# Altium PCB xialeste.PcbDoc (part 6 of 10) (continued)
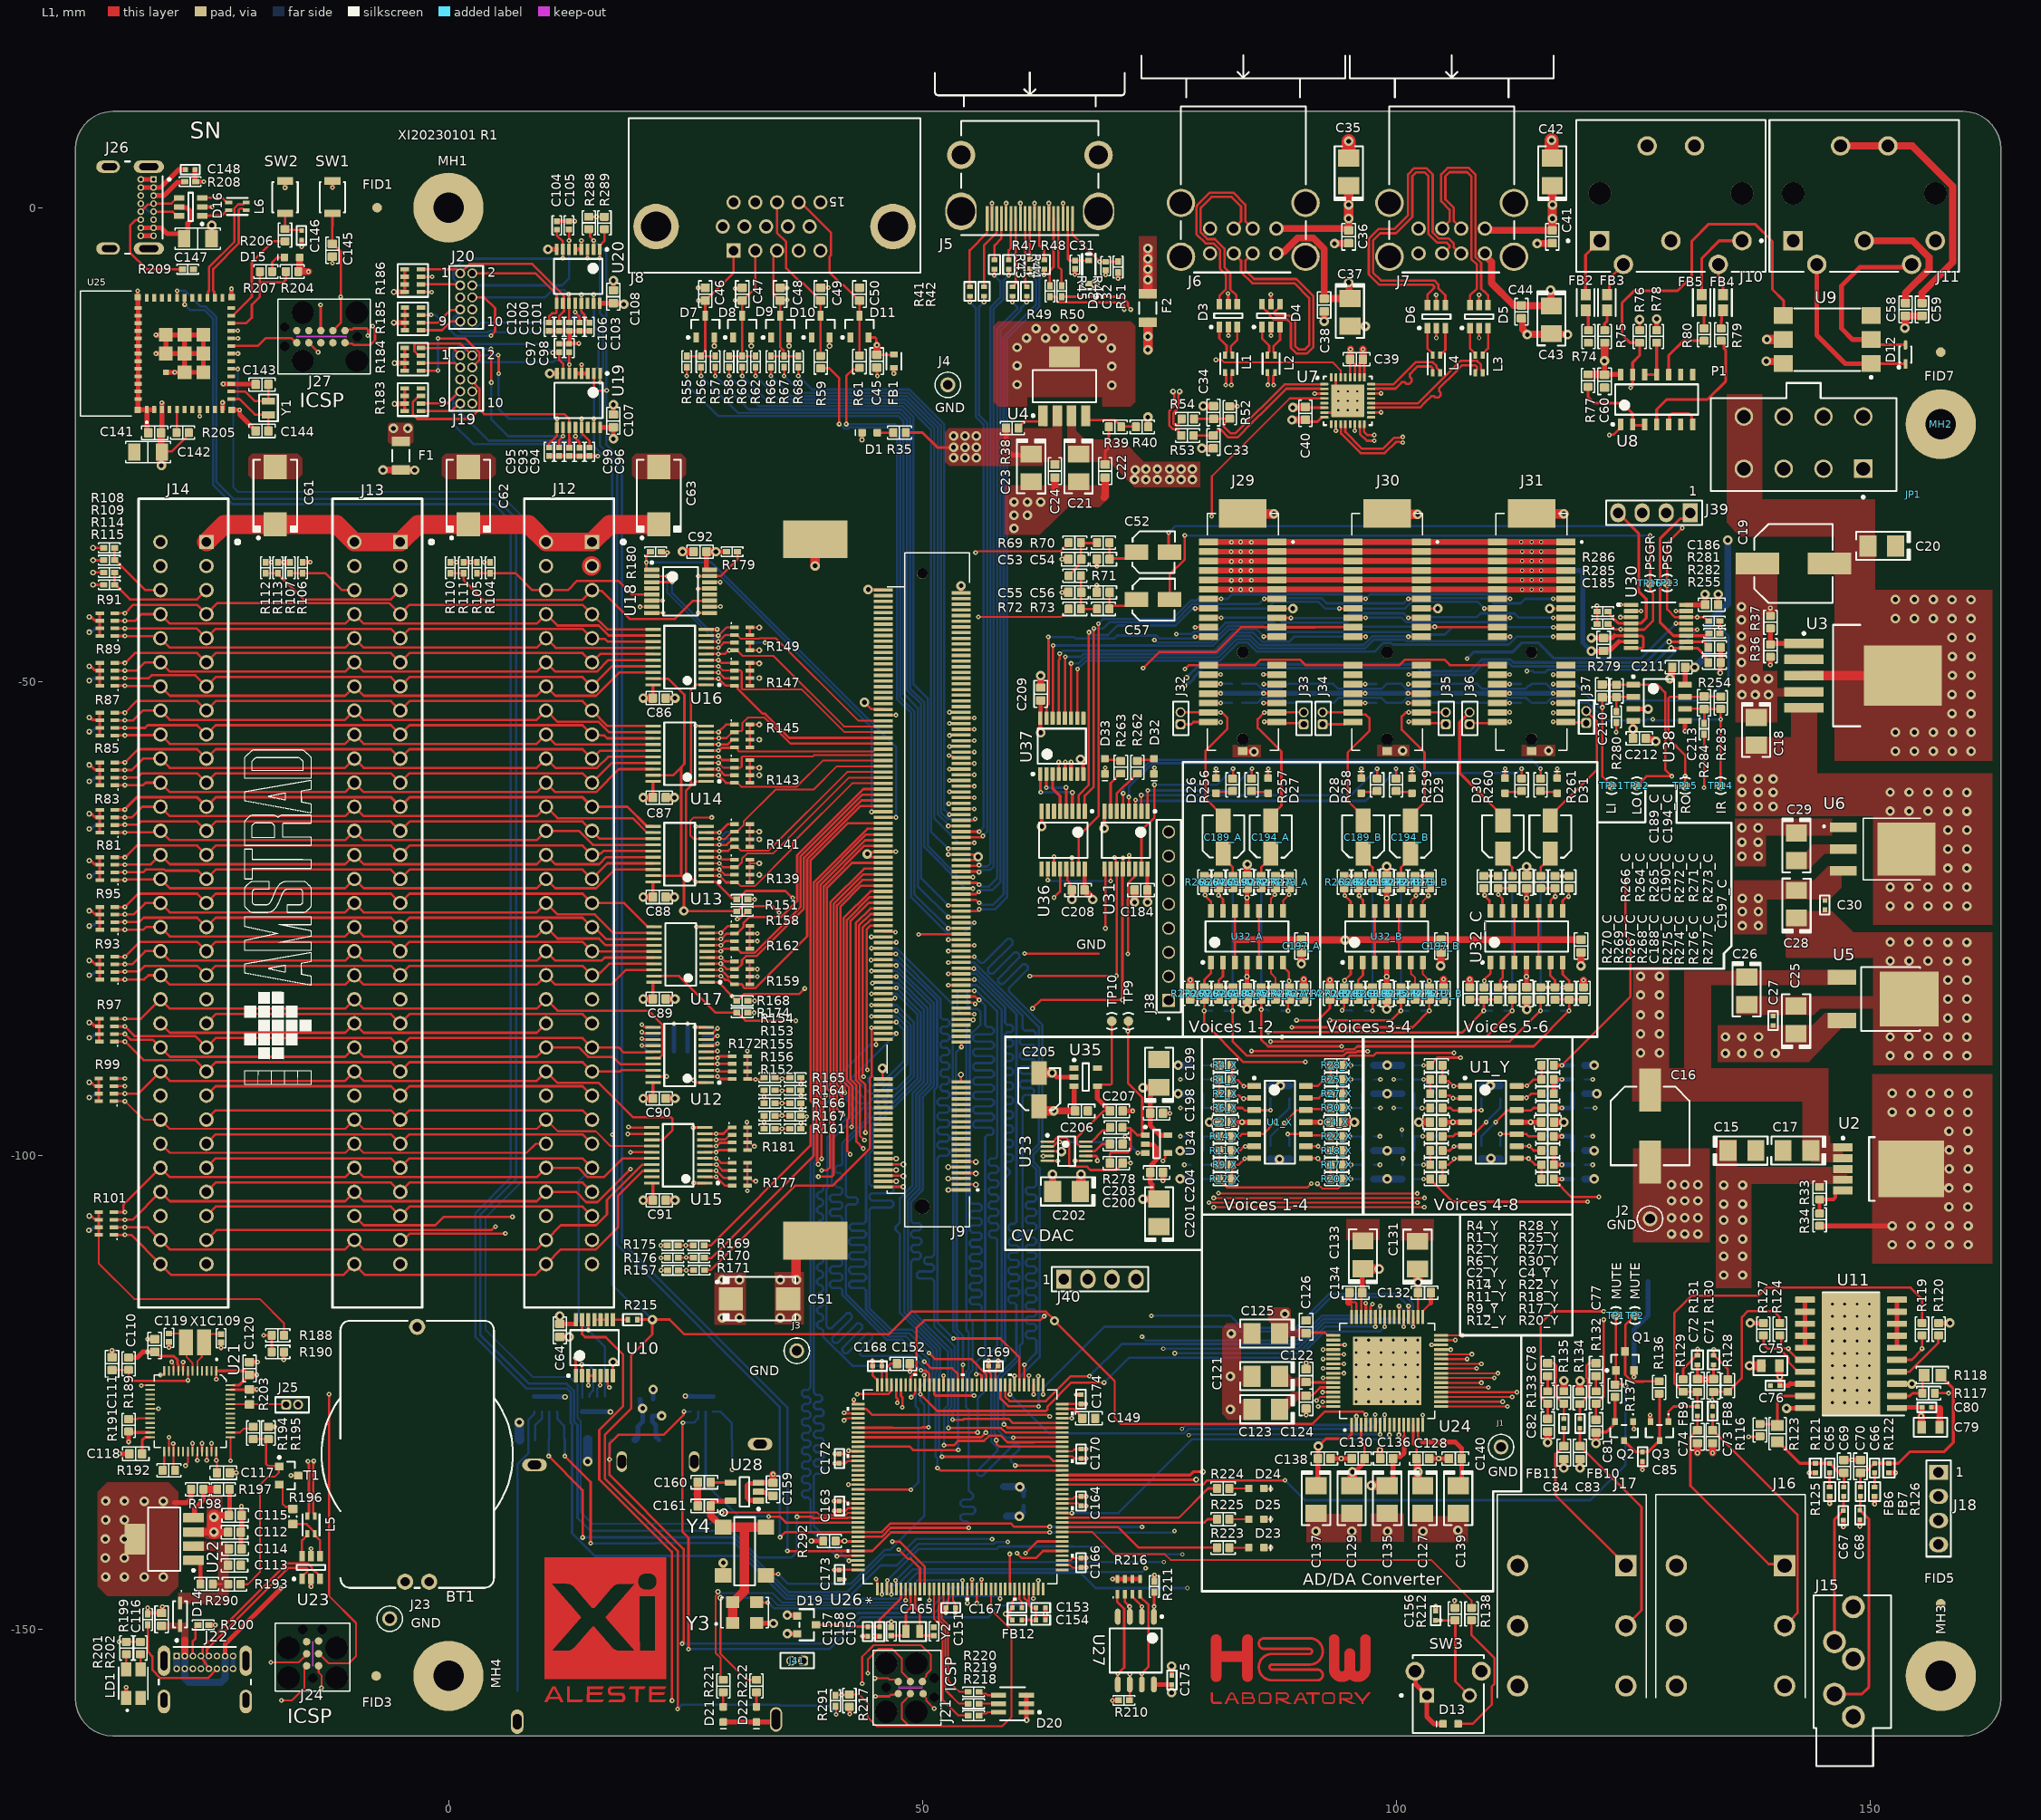
[diagram p0: L1 view]
## Nets (pads, with @x,y where several pads share a name; then routed paths per layer and width w, separated by ;. In a path a pad name is that pad's centre, name@x,y a point inside that pad or via, vN(x,y) a via of type N, cw(c..) or ccw(c..) an arc to the next point about the centre after c; other vN are vias at no path point) (continued)
CVA2: J29.B8 J30.B8 J31.B8 U36.2 | length 67.7
  L1 w0.25: U36.2@66.497,-63.7 66.497,-62.003 67.552,-60.948 v1@67.552,-44.85 ; v1(78.8,-42.3) 78.81,-42.29 80.21,-42.29 J29.B8@80.22,-42.28 ; v1@94.1,-42.3 94.11,-42.29 95.45,-42.29 J30.B8@95.46,-42.28 ; v1(109.3,-42.3) 109.31,-42.29 110.69,-42.29 J31.B8@110.7,-42.28
  L6 w0.25: v1(67.6,-44.8) 67.9,-45.1 69.6,-45.1 70.6,-44.1 76.7,-44.1 78.476,-42.324 78.776,-42.324 v1(78.8,-42.3) 86.4,-42.3 87.125,-41.575 91.775,-41.575 92.5,-42.3 v1(94.02,-42.3) 100.952,-42.3 101.677,-41.575 108.575,-41.575 v1(109.3,-42.3)
CVA3: U36.3 U37.1 | length 7.3
  L1 w0.3: U37.1@62.452,-59.772 62.476,-59.796 62.476,-61.676 v1(62.5,-61.7) ; v1(65.843,-61.71) 65.845,-61.712 65.845,-63.698 U36.3@65.847,-63.7
  L3 w0.3: v1(62.5,-61.7) v1@62.505,-61.705
  L6 w0.3: v1@62.505,-61.705 v1@65.838,-61.705
CVA4: U36.4 U37.2 | length 5.9
  L1 w0.3: v1(63.1,-61.2) v1(63.1,-61.2) 63.101,-59.773 U37.2@63.102,-59.772 ; v1(65.171,-61.187) 65.184,-61.2 U36.4@65.184,-63.563
  L3 w0.3: v1(63.1,-61.2) v1@63.106,-61.194
  L6 w0.3: v1@63.106,-61.194 v1@65.165,-61.194
CVA5: U36.5 U37.3 | length 4.3
  L1 w0.3: U37.3@63.752,-59.772 63.752,-61.288 64.547,-62.084 U36.5@64.547,-63.7
CVnEN1: J29.B11 U37.15 | length 26
  L1 w0.25: U37.15@63.102,-53.872 63.102,-52.597 63.325,-52.374 63.325,-45.325 v1(63.3,-45.3) ; v1(78.8,-45.3) 78.81,-45.29 80.21,-45.29 J29.B11@80.22,-45.28
  L6 w0.25: v1(63.3,-45.3) 66.01,-45.3 66.16,-45.45 70.279,-45.45 70.579,-45.15 74.697,-45.15 75.022,-45.475 78.571,-45.475 78.746,-45.3 v1(78.8,-45.3)
CVnEN2: J29.A11 U37.14 | length 32.4
  L1 w0.25: U37.14@63.752,-53.872 63.776,-53.848 63.776,-46.224 v1(63.8,-46.2) ; v1(86.036,-45.264) 86.044,-45.272 87.412,-45.272 J29.A11@87.42,-45.28
  L6 w0.25: v1(63.8,-46.2) 74.634,-46.2 74.659,-46.225 80.67,-46.225 82.395,-44.5 85.272,-44.5 v1(86.036,-45.264)
CVnEN3: J30.B11 U37.13 | length 42
  L1 w0.25: U37.13@64.402,-53.872 64.402,-47.775 64.5,-47.677 v1(64.5,-47.05) ; J30.B11@95.46,-45.28 v1(96.785,-45.28)
  L6 w0.25: v1(64.5,-47.05) 64.568,-47.05 64.86,-46.758 80.842,-46.758 82.75,-44.85 84.95,-44.85 85.9,-45.8 88.7,-45.8 89.22,-45.28 v1(96.785,-45.28)
CVnEN4: J30.A11 U37.12 | length 45.8
  L1 w0.25: U37.12@65.052,-53.872 65.076,-53.848 65.076,-47.424 v1(65.1,-47.4) ; v1(101.3,-45.28) J30.A11@102.66,-45.28
  L6 w0.25: v1(65.1,-47.4) 66.7,-47.4 66.992,-47.108 81.102,-47.108 83.01,-45.2 84.668,-45.2 85.618,-46.15 96.587,-46.15 97.507,-45.23 101.073,-45.23 101.085,-45.242 101.262,-45.242 v1(101.3,-45.28)
CVnEN5: J31.B11 U37.11 | length 55.5
  L1 w0.25: v1(65.7,-48.1) 65.701,-48.101 U37.11@65.702,-53.872 U37.11@65.702,-53.872 ; J31.B11@110.7,-45.28 v1(112.025,-45.28)
  L6 w0.25: v1(65.7,-48.1) 66.495,-48.1 67.137,-47.458 81.247,-47.458 83.155,-45.55 84.523,-45.55 85.473,-46.5 96.732,-46.5 97.652,-45.58 100.928,-45.58 101.103,-45.755 111.55,-45.755 v1(112.025,-45.28)
CVnEN6: J31.A11 U37.10 | length 59
  L1 w0.25: U37.10@66.352,-53.872 66.352,-49.002 66.362,-48.992 66.362,-48.738 v1(66.4,-48.7) ; v1@116.6,-45.28 J31.A11@117.9,-45.28
  L6 w0.25: v1(66.4,-48.7) 67.292,-47.808 81.392,-47.808 83.3,-45.9 84.378,-45.9 85.328,-46.85 97.722,-46.85 98.642,-45.93 99.486,-45.93 99.661,-46.105 111.872,-46.105 112.697,-45.28 v1(116.575,-45.28)
D0: J9.124 R159.4 R160.5 U17.2 | length 33.7
  L1 w0.25: U17.2@27.3,-81.088 28.773,-81.088 29.186,-81.5 29.5,-81.5 29.95,-81.95 30.95,-81.95 31.103,-82.103 31.103,-82.222 31.257,-82.375 32.343,-82.375 37.85,-76.868 37.85,-68.765 43.465,-63.15 J9.124@45.9,-63.15
  L6 w0.25: v1(28.75,-81.088) 28.773,-81.088 29.186,-81.5 29.5,-81.5 29.95,-81.95 R160.5@30.2,-81.95
D1: J9.123 R159.3 R160.6 U17.3 | length 41.1
  L1 w0.25: U17.3@27.3,-80.437 v1(28.75,-80.437) ; v1@28.772,-80.438 29.484,-81.15 R159.3@30.2,-81.15 ; J9.123@54.1,-63.45 v1(55.5,-63.45)
  L3 w0.25: v1(28.75,-80.437) 32.125,-77.062 32.125,-75.627 44.458,-63.294 49.874,-63.294 50.03,-63.45 v1(55.5,-63.45)
  L6 w0.25: v1(28.75,-80.437) 28.772,-80.437 29.484,-81.15 R160.6@30.2,-81.15
D2: J9.126 R159.2 R160.7 U17.4 | length 31.3
  L1 w0.25: U17.4@27.3,-79.787 27.305,-79.782 28.734,-79.782 v1(28.739,-79.777) ; v1@28.772,-79.787 29.334,-80.35 30.45,-80.35 30.966,-79.834 30.966,-79.416 31.407,-78.975 32.488,-78.975 37.5,-73.963 37.5,-68.62 43.57,-62.55 J9.126@45.9,-62.55
  L6 w0.25: v1(28.739,-79.777) 28.761,-79.777 29.334,-80.35 R160.7@30.2,-80.35
D3: J9.125 R159.1 R160.8 U17.5 | length 37.2
  L1 w0.25: U17.5@27.3,-79.138 28.774,-79.138 29.186,-79.55 R159.1@30.2,-79.55 ; v1(52.8,-62.9) 52.825,-62.875 54.075,-62.875 J9.125@54.1,-62.85
  L3 w0.25: v1(28.75,-79.138) 29.7,-78.187 29.782,-78.187 31.775,-76.194 31.775,-75.482 44.357,-62.9 v1(52.8,-62.9)
  L6 w0.25: v1(28.75,-79.138) 28.774,-79.138 29.186,-79.55 R160.8@30.2,-79.55
D4: J9.128 R162.4 R163.5 U17.6 | length 30.5
  L1 w0.25: U17.6@27.3,-78.487 27.305,-78.482 28.734,-78.482 v1(28.739,-78.477) ; v1@28.804,-78.487 28.804,-78.466 29.07,-78.2 30.45,-78.2 30.875,-78.625 32.343,-78.625 37.15,-73.818 37.15,-68.475 43.675,-61.95 J9.128@45.9,-61.95
  L6 w0.25: v1(28.739,-78.477) 28.793,-78.477 29.07,-78.2 R163.5@30.2,-78.2
D5: J9.127 R162.3 R163.6 U17.7 | length 39.7
  L1 w0.25: U17.7@27.3,-77.837 28.772,-77.837 29.209,-77.4 R162.3@30.2,-77.4 ; J9.127@54.1,-62.25 v1(55.5,-62.25)
  L3 w0.25: v1(28.75,-77.837) 29.637,-77.837 31.425,-76.049 31.425,-75.337 44.512,-62.25 v1(55.5,-62.25)
  L6 w0.25: v1(28.75,-77.837) 28.772,-77.837 29.209,-77.4 R163.6@30.2,-77.4
D6: J9.130 R162.2 R163.7 U17.8 | length 29.9
  L1 w0.25: U17.8@27.3,-77.188 v1(28.75,-77.188) ; v1@28.772,-77.188 28.772,-77.166 29.321,-76.617 30.183,-76.617 R162.2@30.2,-76.6 30.45,-76.6 31.125,-75.925 31.125,-75.507 31.757,-74.875 35.097,-74.875 36.8,-73.172 36.8,-68.33 43.78,-61.35 J9.130@45.9,-61.35
  L6 w0.25: v1(28.75,-77.188) 29.338,-76.6 R163.7@30.2,-76.6
D7: J9.129 R162.1 R163.8 U17.9 | length 36.5
  L1 w0.25: U17.9@27.3,-76.538 27.305,-76.532 28.734,-76.532 29.466,-75.8 R162.1@30.2,-75.8 ; v1(52.875,-61.65) J9.129@54.1,-61.65
  L3 w0.25: v1(28.739,-76.527) 29.741,-76.527 44.617,-61.65 v1(52.875,-61.65)
  L6 w0.25: v1(28.739,-76.527) 29.466,-75.8 R163.8@30.2,-75.8
DAC1: J29.B18 J32.1 R4_X.2 R7_X.2 | length 43.2
  L1 w0.2: v1(80.65,-90.5) R4_X.2@81.35,-90.5
  L1 w0.25: J32.1@77.25,-54.52 78.372,-54.52 78.612,-54.28 J29.B18@80.22,-54.28 80.23,-54.29 81.49,-54.29 v1(81.5,-54.3)
  L3 w0.2: J32.1@77.4,-54.67 79.3,-56.57 79.3,-87.6 80.65,-88.95 v1(80.65,-90.5)
  L6 w0.2: R7_X.2@79.65,-90.5 v1(80.65,-90.5)
DAC2: J29.A18 J33.1 R12_X.2 R15_X.2 | length 64.6
  L1 w0.2: v1(80.7,-102.5) R12_X.2@81.35,-102.5
  L1 w0.25: R12_X.2@81.6,-102.8 82.2,-103.4 90.615,-103.4 91.035,-102.98 v1(91.044,-102.98) ; v1(86.095,-54.25) 86.11,-54.265 87.405,-54.265 87.54,-54.4 90.13,-54.4 J33.1@90.25,-54.52
  L3 w0.25: J33.1@90.25,-54.52 90.963,-55.233 90.963,-100.008 90.969,-100.014 90.969,-100.656 90.975,-100.662 90.975,-102.735 91.005,-102.765 91.005,-102.942 v1(91.044,-102.98)
  L6 w0.2: R15_X.2@79.65,-102.5 v1(80.7,-102.5)
DAC3: J30.B18 J34.1 R20_X.2 R23_X.2 | length 57.8
  L1 w0.2: v1(91.7,-103) 92.2,-103.5 93.9,-103.5 94.125,-103.275 94.125,-102.775 R20_X.2@94.4,-102.5 v1(95.25,-102.5)
  L1 w0.25: J34.1@92.25,-54.52 94.57,-54.52 94.81,-54.28 J30.B18@95.46,-54.28
  L3 w0.2: v1(91.7,-103) 91.3,-102.6 91.3,-100.527 91.294,-100.521 91.294,-94.923 91.288,-94.918 91.288,-55.482 92.17,-54.6 J34.1@92.2,-54.6
  L6 w0.2: v1(95.25,-102.5) R23_X.2@96.35,-102.5
DAC4: J30.A18 J35.1 R28_X.2 R31_X.2 | length 53
  L1 w0.2: R28_X.2@94.4,-90.5 v1(95.25,-90.5)
  L1 w0.25: R28_X.2@94.5,-90.1 95.1,-89.5 97.6,-89.5 97.9,-89.2 v1(106.1,-89.2) ; v1(101.335,-54.25) 101.35,-54.265 102.645,-54.265 102.78,-54.4 105.13,-54.4 J35.1@105.25,-54.52
  L3 w0.25: J35.1@105.25,-54.52 106.1,-55.37 v1(106.1,-89.2)
  L6 w0.2: v1(95.25,-90.5) R31_X.2@96.35,-90.5
DAC5: J31.B18 J36.1 R4_Y.2 R7_Y.2 | length 45.2
  L1 w0.2: v1(102.9,-90.5) R4_Y.2@103.6,-90.5
  L1 w0.25: R4_Y.2@103.5,-90.3 103.75,-90.3 104.35,-89.7 v1(106.8,-89.7) ; J36.1@107.75,-54.52 107.87,-54.4 110.58,-54.4 110.715,-54.265 111.985,-54.265 v1(112,-54.25)
  L3 w0.25: v1(106.8,-89.7) 106.8,-55.47 J36.1@107.75,-54.52
  L6 w0.2: R7_Y.2@101.9,-90.5 v1(102.9,-90.5)
DAC6: J31.A18 J37.1 R12_Y.2 R15_Y.2 | length 74.8
  L1 w0.2: v1(102.9,-102.5) R12_Y.2@103.6,-102.5
  L1 w0.25: R12_Y.2@103.6,-102.5 103.6,-102.55 105.95,-104.9 v1(120.2,-104.9) ; v1(116.575,-54.25) 116.59,-54.265 117.885,-54.265 117.952,-54.333 120.008,-54.333 J37.1@120.06,-54.385
  L3 w0.25: J37.1@120.06,-54.385 120.06,-73.46 120.5,-73.9 120.5,-87.8 121.9,-89.2 121.9,-102.9 121.05,-103.75 121.05,-104.05 v1(120.2,-104.9)
  L6 w0.2: R15_Y.2@101.9,-102.5 v1(102.9,-102.5)
DAC_L: R20_Y.2 R23_Y.2 R280.1 | length 59.1
  L1 w0.25: R20_Y.2@116.65,-102.5 116.65,-102.55 118.5,-104.4 v1(121.4,-104.4) ; v1(123.225,-55.348) 123.237,-55.335 123.237,-54.338 R280.1@123.25,-54.325
  L1 w0.5: R20_Y.2@116.65,-102.5 v1(117.5,-102.5)
  L3 w0.25: v1(121.4,-104.4) 122.3,-103.5 122.3,-88.9 121.4,-88 121.4,-57.198 123.225,-55.373 v1(123.225,-55.348)
  L6 w0.5: v1(117.5,-102.5) R23_Y.2@118.6,-102.5
DAC_R: R28_Y.2 R31_Y.2 R284.1 | length 43.9
  L1 w0.25: v1(117.5,-90.5) 124.725,-83.275 124.725,-77.334 124.2,-76.809 v1(124.2,-71.1) ; v1(132.5,-61.213) R284.1@132.5,-55.575
  L1 w0.5: R28_Y.2@116.65,-90.5 v1(117.5,-90.5)
  L3 w0.25: v1(124.2,-71.1) 124.9,-71.1 132.5,-63.5 v1(132.5,-61.213)
  L6 w0.5: v1(117.5,-90.5) R31_Y.2@118.6,-90.5
DDC_CLK: R49.1 U26.11 | length 162
  L1 w0.25: v1(46.831,-140.764) 47.627,-140.764 50.25,-143.388 U26.11@50.25,-145.776 ; R49.1@63.476,-9.394 64.055,-9.394 64.201,-9.54 64.201,-9.862 64.333,-9.994 70.994,-9.994 71.262,-10.262 71.262,-10.712 v1(71.3,-10.75)
  L3 w0.25: v1@46.886,-140.689 47.134,-140.441 47.134,-139 46.3,-138.166 46.3,-119.7 48.104,-117.896 56.599,-117.896 57.699,-116.796 57.699,-116.193 57.699,-38.451 72,-24.15 72,-11.45 v1(71.3,-10.75)
DDC_CLK_CON: J5.15 R49.2 | length 7.3
  L1 w0.25: R49.2@63.476,-8.244 63.45,-8.218 63.45,-6.65 63.85,-6.25 J5.15@63.85,-1.16
DDC_DAT: R50.1 U26.10 | length 160.4
  L1 w0.25: v1(47.5,-141.6) 48.504,-142.604 48.794,-142.604 49.75,-143.559 U26.10@49.75,-145.776 ; R50.1@64.726,-9.394 71.065,-9.394 71.698,-10.026 71.698,-10.394 72,-10.696 v1(72,-10.75)
  L3 w0.25: v1(47.5,-141.6) 47.484,-141.584 47.484,-138.819 46.65,-137.985 46.65,-119.845 48.249,-118.246 56.78,-118.246 58.074,-116.952 58.074,-116.193 58.074,-38.571 72.35,-24.295 72.35,-11.168 72,-10.818 v1(72,-10.75)
DDC_DAT_CON: J5.16 R50.2 | length 7.2
  L1 w0.25: J5.16@64.35,-1.16 64.35,-6.25 64.7,-6.6 64.7,-8.218 R50.2@64.726,-8.244
ESP_D_CON2_N: D16.6 J26.A7 J26.B7 | length 4.6
  L1 w0.25: J26.A7@-31.12,-0.425 -29.1,-0.425 -28.65,-0.875 D16.6@-28.4,-0.875
  L6 w0.25: J26.B7@-32.47,0.425 -31.632,-0.412 -31.132,-0.412 J26.A7@-31.12,-0.425
ESP_D_CON2_P: D16.4 J26.A6 J26.B6 | length 4.7
  L1 w0.25: J26.B6@-32.47,-0.425 -31.706,0.339 -31.206,0.339 J26.A6@-31.12,0.425 -29.25,0.425 -28.65,1.025 D16.4@-28.4,1.025
ESP_D_CON_N: D16.1 L6.4 | length 3.1
  L1 w0.25: D16.1@-26,-0.875 -25.965,-0.84 -23.899,-0.84 -23.723,-0.664 -23.723,-0.629 -23.363,-0.27 L6.4@-23.188,-0.27
ESP_D_CON_P: D16.3 L6.3 | length 3
  L1 w0.25: D16.3@-26,1.025 -25.975,1.05 -24.025,1.05 -23.988,1.013 -23.845,1.013 -23.363,0.53 L6.3@-23.188,0.53
ESP_D_N: L6.1 U25.26 | length 11.4
  L1 w0.25: U25.26@-24.64,-9.501 -24.715,-9.426 -24.715,-8.879 -24.83,-8.763 -24.83,-7.578 -24.83,-6.472 -22.139,-3.78 -22.139,-0.241 -21.993,-0.094 -21.688,-0.094 -21.513,-0.27 L6.1@-21.338,-0.27
ESP_D_P: L6.2 U25.27 | length 12.1
  L1 w0.25: U25.27@-25.44,-9.501 -25.365,-9.426 -25.365,-8.879 -25.279,-8.793 -25.279,-7.764 -25.279,-6.286 -22.588,-3.594 -22.588,-0.055 -22.178,0.355 -21.688,0.355 -21.513,0.53 L6.2@-21.338,0.53
ESP_nRESET: C145.2 J27.2 SW1.2 U25.8 | length 50.3
  L1 w0.25: v1(-26.24,-22.026) U25.8@-26.24,-21.301 ; SW1.2@-12.245,-0.6 -12.245,-1.964 -12.25,-1.969 C145.2@-12.25,-3.825 -12.2,-3.825 -11.679,-4.346 -11.659,-4.346 -11.371,-4.634 v1(-11.371,-9.416) -11.371,-12.157 J27.2@-12.195,-12.981
  L3 w0.25: v1(-26.24,-22.026) -23.744,-22.026 -22.351,-23.419 -8.419,-23.419 -7.5,-22.5 -7.5,-9.75 -7.834,-9.416 v1(-11.371,-9.416)
ESP_RX: U25.30 U26.19 | length 215.8
  L1 w0.25: v1(-27.84,-10.226) U25.30@-27.84,-9.501 ; U26.19@54.25,-145.776 v1(54.25,-144.845)
  L6 w0.25: v1(-27.84,-10.226) -27.252,-10.813 -25.733,-10.813 -24.845,-11.702 -24.845,-29.224 -22.784,-31.286 4.804,-31.286 6.569,-33.05 6.569,-102.387 2.845,-106.11 2.845,-119.21 8.261,-124.626 12.526,-124.626 12.9,-125 12.9,-128.245 13.045,-128.39 13.045,-139.89 15.43,-142.275 31.075,-142.275 35.6,-146.8 47.5,-146.8 49.455,-144.845 v1(54.25,-144.845)
ESP_TCK: J27.7 U25.20 | length 14.7
  L1 w0.25: U25.20@-22.94,-13.801 v1(-22.215,-13.801) ; J27.7@-14.735,-14.251 -14.735,-14.258 -13.75,-15.243 v1(-13.75,-15.25)
  L3 w0.25: v1(-22.215,-13.801) -20.766,-15.25 -18.107,-15.25 -17,-16.357 -17,-17 -16.25,-17.75 -14.5,-17.75 -13.75,-17 v1(-13.75,-15.25)
ESP_TDI: J27.6 U25.19 | length 7.5
  L1 w0.25: U25.19@-22.94,-14.601 -20.116,-14.601 -19.27,-13.756 -16.599,-13.756 -16.104,-14.251 J27.6@-16.005,-14.251
ESP_TDO: J27.10 U25.21 | length 20.6
  L1 w0.25: U25.21@-22.94,-13.001 -22.934,-12.995 -22.246,-12.995 v1(-22.24,-12.99) ; J27.10@-10.925,-14.251 -10.822,-14.353 -10.155,-14.353 -10.017,-14.491 -8.261,-14.491 -7.75,-13.98 -7.75,-12.75 v1(-8,-12.5)
  L3 w0.25: v1(-22.24,-12.99) -20.256,-12.99 -19.77,-13.476 -16.404,-13.476 -15.668,-12.741 -9.11,-12.741 -8.869,-12.5 v1(-8,-12.5)
ESP_TMS: J27.3 U25.18 | length 20.5
  L1 w0.25: U25.18@-22.94,-15.401 v1(-22.215,-15.401) ; v1(-13.5,-10.25) -13.482,-10.268 -13.482,-12.963 J27.3@-13.465,-12.981
  L3 w0.25: v1(-22.215,-15.401) -23.14,-15.401 -23.604,-14.936 -23.604,-10.104 -23.013,-9.513 -14.237,-9.513 v1(-13.5,-10.25)
ESP_TX: U25.31 U26.133 | length 205.6
  L1 w0.25: U25.31@-28.64,-9.501 v1(-28.64,-8.776) ; v1(36.78,-138.15) 36.789,-138.141 38.315,-138.141 38.461,-138.287 42.051,-138.287 42.087,-138.25 U26.133@43.224,-138.25
  L6 w0.25: v1(-28.64,-8.776) -27.779,-8.776 -26.129,-10.425 -25.627,-10.425 -24.495,-11.557 -24.495,-28.934 -22.704,-30.726 5.044,-30.726 7.149,-32.831 7.149,-102.451 3.378,-106.222 3.378,-118.976 8.499,-124.097 12.492,-124.097 13.25,-124.855 13.25,-128.1 13.62,-128.47 13.62,-138.238 15.019,-139.637 29.922,-139.637 32.735,-142.45 36.172,-142.45 36.78,-141.843 v1(36.78,-138.15)
FIL_AUD_OUT_L: C74.2 FB9.2 J16.T J18.1 | length 41.5
  L1 w0.25: C74.2@131.8,-129.026 C74.2@131.864,-129.09 ; FB9.2@131.8,-127.5 C74.2@131.8,-129.025 131.75,-129.025 131.061,-129.714 131.061,-134.888 139.314,-143.14 J16.T@141.045,-143.14
  L3 w0.25: J16.T@141,-143.3 143.671,-140.629 149.871,-140.629 156.365,-134.135 156.575,-134.135 J18.1@157.25,-133.46
FIL_AUD_OUT_R: C73.2 FB8.2 J16.N J18.4 | length 45.9
  L1 w0.25: FB8.2@133.395,-127.505 133.4,-127.51 C73.2@133.4,-129.025 133.45,-129.025 142.35,-137.925 142.35,-148.3 141.653,-148.997 141.145,-148.997 J16.N@141.128,-148.98
  L3 w0.25: J16.N@141,-149.65 146.9,-143.75 154.58,-143.75 J18.4@157.25,-141.08
FIL_HP_OUTL: C68.1 FB7.2 J15.2 | length 24.5
  L1 w0.3: J15.2@146.25,-156.85 149.15,-156.85 149.9,-156.1 149.9,-138.411 C68.1@148.944,-137.456 148.972,-137.428 148.972,-136.028 FB7.2@149,-136
FIL_HP_OUTR: C67.1 FB6.2 J15.3 | length 15.8
  L1 w0.3: J15.3@146.25,-151.35 146.25,-138.45 C67.1@147.2,-137.5 147.225,-137.475 147.225,-136.025 FB6.2@147.25,-136
FIL_LINEIN_L: C84.2 FB11.2 J17.T | length 18
  L1 w0.25: FB11.2@117.7,-128.8 C84.2@117.7,-130.7 117.65,-130.7 117.129,-131.221 117.109,-131.221 116.821,-131.509 116.821,-135.871 J17.T@124.25,-143.3
FIL_LINEIN_R: C83.2 FB10.2 J17.N | length 24.3
  L1 w0.25: FB10.2@119.4,-128.8 C83.2@119.4,-130.7 119.45,-130.7 119.971,-131.221 119.991,-131.221 125.9,-137.13 125.9,-148 124.5,-149.4 124.4,-149.4 124.4,-149.5 J17.N@124.25,-149.65
FMC_CLK: U26.117
FMC_DA0: J9.58 U26.85 | length 72.1
  L1 w0.25: v1(44.65,-82.95) J9.58@45.9,-82.95 ; v1(50.7,-120.854) 51.346,-121.5 55.138,-121.5 56.75,-123.112 U26.85@56.75,-124.224
  L6 w0.25: v1(44.65,-82.95) 44.661,-82.939 47.311,-82.939 49.475,-85.103 49.475,-91.948 44.475,-96.948 44.475,-99.262 44.067,-99.67 44.067,-100.079 44.067,-106.972 43.84,-107.199 42.565,-107.199 42.338,-107.427 42.338,-107.73 42.565,-107.957 43.84,-107.957 44.067,-108.185 44.067,-108.488 43.84,-108.715 42.502,-108.715 42.275,-108.943 42.275,-109.246 42.502,-109.473 43.84,-109.473 44.067,-109.701 44.067,-110.004 43.84,-110.231 42.502,-110.231 42.275,-110.459 42.275,-110.762 42.502,-110.989 43.84,-110.989 44.067,-111.217 44.067,-111.52 43.84,-111.747 42.502,-111.747 42.275,-111.975 42.275,-112.278 42.502,-112.505 43.84,-112.505 44.067,-112.733 44.067,-113.036 43.84,-113.263 42.502,-113.263 42.275,-113.491 42.275,-113.794 42.502,-114.021 43.84,-114.021 44.067,-114.249 44.067,-114.374 44.067,-116.259 46.576,-118.768 48.614,-118.768 v1(50.7,-120.854)
FMC_DA1: J9.57 U26.86 | length 72
  L1 w0.25: J9.57@54.1,-83.25 55.582,-83.25 55.932,-83.6 v1(56,-83.6) ; v1(55.7,-123.1) 56.104,-123.1 56.25,-123.246 U26.86@56.25,-124.224
  L6 w0.25: v1(55.7,-123.1) 55.7,-121.833 56.635,-120.898 56.635,-100.92 56.635,-98.082 56.863,-97.854 57.297,-97.854 57.525,-97.627 57.525,-97.324 57.297,-97.096 55.595,-97.096 55.368,-96.869 55.368,-96.566 55.595,-96.338 57.33,-96.338 57.557,-96.111 57.557,-95.808 57.33,-95.58 55.595,-95.58 55.368,-95.353 55.368,-95.05 55.595,-94.822 57.33,-94.822 57.557,-94.595 57.557,-94.292 57.33,-94.064 55.595,-94.064 55.368,-93.837 55.368,-93.534 55.595,-93.306 57.33,-93.306 57.557,-93.079 57.557,-92.776 57.33,-92.548 55.595,-92.548 55.368,-92.321 55.368,-92.018 55.595,-91.79 57.33,-91.79 57.557,-91.563 57.557,-91.26 57.33,-91.032 55.595,-91.032 55.368,-90.805 55.368,-90.502 55.595,-90.274 57.33,-90.274 57.557,-90.047 57.557,-89.744 57.33,-89.516 55.595,-89.516 55.368,-89.289 55.368,-88.986 55.595,-88.758 57.33,-88.758 57.557,-88.531 57.557,-88.228 57.33,-88 55.595,-88 55.368,-87.773 55.368,-87.47 55.595,-87.242 57.33,-87.242 57.557,-87.015 57.557,-86.712 57.33,-86.484 56.863,-86.484 56.635,-86.257 56.635,-86.132 56.635,-84.212 56.023,-83.6 v1(56,-83.6)
FMC_DA2: J9.60 U26.114 | length 71.9
  L1 w0.25: U26.114@43.224,-128.75 46.855,-128.75 46.864,-128.759 49.941,-128.759 50,-128.7 v1(50.675,-128.7) ; J9.60@45.9,-82.35 v1(47.25,-82.35)
  L6 w0.25: v1(47.25,-82.35) 49.825,-84.925 49.825,-92.093 44.825,-97.093 44.825,-99.407 44.417,-99.815 44.417,-101.072 44.417,-103.018 44.644,-103.246 46.73,-103.246 46.957,-103.473 46.957,-103.776 46.73,-104.004 44.644,-104.004 44.417,-104.231 44.417,-104.534 44.644,-104.762 46.73,-104.762 46.957,-104.989 46.957,-105.292 46.73,-105.52 44.644,-105.52 44.417,-105.747 44.417,-106.63 44.417,-116.114 46.721,-118.418 48.95,-118.418 51.175,-120.643 51.175,-122.655 51.063,-122.767 51.063,-123.732 50.675,-124.12 v1(50.675,-128.7)
FMC_DA3: J9.59 U26.115 | length 71.7
  L1 w0.25: U26.115@43.224,-129.25 53.411,-129.25 ; 53.412,-129.25 v1(55.844,-129.25) ; J9.59@54.1,-82.65 v1(55.5,-82.65)
  L6 w0.25: v1(55.5,-82.65) 55.548,-82.698 55.77,-82.698 57.907,-84.835 57.907,-99.233 57.907,-100.116 57.68,-100.343 57.213,-100.343 56.985,-100.571 56.985,-100.874 57.213,-101.101 57.809,-101.101 58.037,-101.329 58.037,-101.632 57.809,-101.859 57.213,-101.859 56.985,-102.087 56.985,-102.39 57.213,-102.617 57.809,-102.617 58.037,-102.845 58.037,-103.148 57.809,-103.375 57.213,-103.375 56.985,-103.603 56.985,-103.906 57.213,-104.133 57.809,-104.133 58.037,-104.361 58.037,-104.664 57.809,-104.891 57.213,-104.891 56.985,-105.119 56.985,-105.422 57.213,-105.649 57.809,-105.649 58.037,-105.877 58.037,-106.18 57.809,-106.407 57.213,-106.407 56.985,-106.635 56.985,-106.938 57.213,-107.165 57.809,-107.165 58.037,-107.393 58.037,-107.696 57.809,-107.923 57.267,-107.923 57.039,-108.151 57.039,-108.454 57.267,-108.681 57.68,-108.681 57.907,-108.909 57.907,-116.925 57.907,-120.121 56.525,-121.503 56.525,-124.969 55.844,-125.651 v1(55.844,-129.25)
FMC_DA4: J9.62 U26.58 | length 72.6
  L1 w0.25: v1(44.736,-81.836) 44.774,-81.798 45.852,-81.798 J9.62@45.9,-81.75 ; v1(51.603,-133.003) 51.657,-133.003 51.904,-133.25 64.685,-133.25 U26.58@64.7,-133.265
  L6 w0.25: v1(44.736,-81.836) 47.408,-81.836 48.784,-83.212 48.784,-83.227 50.161,-84.603 50.175,-84.603 50.175,-92.238 48.956,-93.457 48.956,-103.231 47.632,-104.555 47.632,-106.218 47.632,-107.101 47.404,-107.329 47.177,-107.556 47.177,-107.859 47.404,-108.087 47.632,-108.314 47.632,-115.68 47.632,-116.605 51.525,-120.498 51.525,-122.8 51.413,-122.911 51.413,-123.877 51.412,-123.878 51.412,-131.805 51.603,-131.996 v1(51.603,-133.003)
FMC_DA5: J9.61 U26.59 | length 72.2
  L1 w0.25: v1(52.75,-82.05) J9.61@54.1,-82.05 ; v1(59.811,-132.733) 59.819,-132.742 64.768,-132.742 U26.59@64.776,-132.75
  L6 w0.25: v1(52.75,-82.05) 55.75,-82.05 56,-82.3 56.012,-82.3 58.387,-84.675 58.387,-120.642 57.525,-121.503 57.525,-122.352 57.275,-122.602 57.275,-130.197 57.308,-130.23 57.396,-130.318 57.932,-130.854 57.932,-131.176 55.788,-133.32 55.788,-133.642 56.003,-133.856 56.324,-133.856 59.692,-130.489 60.013,-130.489 60.227,-130.703 60.227,-131.025 59.326,-131.926 59.326,-132.248 59.442,-132.365 59.531,-132.453 v1(59.811,-132.733)
FMC_DA6: J9.64 U26.60 | length 69
  L1 w0.25: J9.64@45.9,-81.15 v1(47.25,-81.15) ; v1(52.078,-131.808) 63.373,-131.808 63.815,-132.25 U26.60@64.776,-132.25
  L6 w0.25: v1(47.25,-81.15) 48.92,-82.82 48.92,-82.853 50.525,-84.458 50.525,-92.383 49.361,-93.547 49.361,-103.329 48.095,-104.595 48.095,-116.573 51.875,-120.353 51.875,-122.945 51.763,-123.056 51.763,-130.063 51.762,-130.064 51.762,-130.923 52.03,-131.192 52.03,-131.76 v1(52.078,-131.808)
FMC_DA7: J9.63 U26.63 | length 71.7
  L1 w0.25: J9.63@54.1,-81.45 v1(55.5,-81.45) ; v1(57.812,-130.063) 57.851,-130.101 57.851,-130.45 58.15,-130.75 U26.63@64.776,-130.75
  L6 w0.25: v1(55.5,-81.45) 55.548,-81.498 55.833,-81.498 58.737,-84.402 58.737,-85.897 58.737,-86.022 58.964,-86.249 59.361,-86.249 59.589,-86.476 59.589,-86.78 59.361,-87.007 58.964,-87.007 58.737,-87.234 58.737,-87.538 58.964,-87.765 59.361,-87.765 59.589,-87.992 59.589,-88.296 59.361,-88.523 58.964,-88.523 58.737,-88.75 58.737,-89.054 58.964,-89.281 59.361,-89.281 59.589,-89.508 59.589,-89.812 59.361,-90.039 58.964,-90.039 58.737,-90.266 58.737,-90.57 58.964,-90.797 59.361,-90.797 59.589,-91.024 59.589,-91.328 59.361,-91.555 58.964,-91.555 58.737,-91.782 58.737,-92.086 58.964,-92.313 59.361,-92.313 59.589,-92.54 59.589,-92.844 59.361,-93.071 58.964,-93.071 58.737,-93.298 58.737,-93.602 58.964,-93.829 59.361,-93.829 59.589,-94.056 59.589,-94.36 59.361,-94.587 58.964,-94.587 58.737,-94.814 58.737,-95.118 58.964,-95.345 59.361,-95.345 59.589,-95.572 59.589,-95.876 59.361,-96.103 58.964,-96.103 58.737,-96.33 58.737,-96.634 58.964,-96.861 59.361,-96.861 59.589,-97.088 59.589,-97.392 59.361,-97.619 58.964,-97.619 58.737,-97.846 58.737,-98.15 58.964,-98.377 59.361,-98.377 59.589,-98.604 59.589,-98.908 59.361,-99.135 58.964,-99.135 58.737,-99.362 58.737,-99.666 58.964,-99.893 59.361,-99.893 59.589,-100.12 59.589,-100.424 59.361,-100.651 58.964,-100.651 58.737,-100.878 58.737,-101.182 58.964,-101.409 58.989,-101.409 59.216,-101.636 59.216,-101.94 58.989,-102.167 58.964,-102.167 58.737,-102.394 58.737,-105.854 58.737,-121.635 57.625,-122.747 57.625,-129.338 57.774,-129.487 57.774,-130.024 v1(57.812,-130.063)
FMC_DA8: J9.66 U26.64 | length 71.6
  L1 w0.25: v1(44.65,-80.55) J9.66@45.9,-80.55 ; v1(52.3,-130.6) 53.328,-130.6 53.793,-130.135 56.505,-130.135 57.053,-129.588 58.288,-129.588 58.975,-130.275 61.8,-130.275 61.825,-130.25 U26.64@64.776,-130.25
  L6 w0.25: v1(44.65,-80.55) 47.322,-80.55 50.875,-84.103 50.875,-92.528 50.551,-92.852 49.711,-93.692 49.711,-103.532 48.475,-104.768 48.475,-116.458 52.713,-120.696 52.713,-126.387 52.303,-126.797 52.303,-130.597 v1(52.3,-130.6)
FMC_DA9: J9.65 U26.65 | length 72
  L1 w0.25: v1(52.75,-80.85) J9.65@54.1,-80.85 ; v1(59.6,-129.8) 59.635,-129.765 64.761,-129.765 U26.65@64.776,-129.75
  L6 w0.25: v1(52.75,-80.85) 55.68,-80.85 59.939,-85.109 59.939,-106.13 59.939,-107.013 59.711,-107.241 59.314,-107.241 59.087,-107.468 59.087,-107.771 59.314,-107.999 59.992,-107.999 60.219,-108.226 60.219,-108.529 59.992,-108.757 59.314,-108.757 59.087,-108.984 59.087,-109.287 59.314,-109.515 59.992,-109.515 60.219,-109.742 60.219,-110.045 59.992,-110.273 59.314,-110.273 59.087,-110.5 59.087,-110.803 59.314,-111.031 59.992,-111.031 60.219,-111.258 60.219,-111.561 59.992,-111.789 59.314,-111.789 59.087,-112.016 59.087,-112.319 59.314,-112.547 59.992,-112.547 60.219,-112.774 60.219,-113.077 59.992,-113.305 59.314,-113.305 59.087,-113.532 59.087,-113.835 59.314,-114.063 59.992,-114.063 60.219,-114.29 60.219,-114.593 59.992,-114.821 59.314,-114.821 59.087,-115.048 59.087,-115.351 59.314,-115.579 59.711,-115.579 59.939,-115.806 59.939,-118.378 59.939,-121.346 57.975,-123.31 57.975,-128.977 58.798,-129.8 v1(59.6,-129.8)
FMC_DA10: J9.68 U26.66 | length 71.6
  L1 w0.25: J9.68@45.9,-79.95 45.913,-79.963 47.231,-79.963 v1(47.245,-79.976) ; v1(52.778,-128.775) 54.609,-128.775 ; 54.609,-128.775 58.33,-128.775 58.805,-129.25 U26.66@64.685,-129.25
  L6 w0.25: v1(47.245,-79.976) 51.225,-83.957 51.225,-92.673 50.061,-93.837 50.061,-103.677 48.825,-104.913 48.825,-106.826 48.825,-106.951 49.052,-107.179 49.678,-107.179 49.905,-107.406 49.905,-107.709 49.678,-107.937 49.052,-107.937 48.825,-108.164 48.825,-108.467 49.052,-108.695 49.678,-108.695 49.905,-108.922 49.905,-109.225 49.678,-109.453 49.052,-109.453 48.825,-109.68 48.825,-109.983 49.052,-110.211 49.627,-110.211 49.854,-110.438 49.854,-110.741 49.627,-110.969 49.052,-110.969 48.825,-111.196 48.825,-114.49 48.825,-116.313 53.063,-120.551 53.063,-126.532 52.725,-126.87 52.725,-128.228 52.73,-128.233 52.73,-128.727 v1(52.778,-128.775)
FMC_DA11: J9.67 U26.67 | length 72.2
  L1 w0.25: J9.67@54.1,-80.25 54.127,-80.277 55.425,-80.277 v1(55.452,-80.304) ; v1(58.622,-128.4) 58.668,-128.4 59.018,-128.75 U26.67@64.776,-128.75
  L6 w0.25: v1(55.452,-80.304) 55.52,-80.304 55.716,-80.5 55.825,-80.5 60.569,-85.244 60.569,-86.481 60.569,-86.606 60.796,-86.834 61.736,-86.834 61.963,-87.061 61.963,-87.364 61.736,-87.592 60.516,-87.592 60.289,-87.819 60.289,-88.122 60.516,-88.35 61.736,-88.35 61.963,-88.577 61.963,-88.88 61.736,-89.108 60.516,-89.108 60.289,-89.335 60.289,-89.638 60.516,-89.866 61.736,-89.866 61.963,-90.093 61.963,-90.396 61.736,-90.624 60.516,-90.624 60.289,-90.851 60.289,-91.154 60.516,-91.382 61.736,-91.382 61.963,-91.609 61.963,-91.912 61.736,-92.14 60.516,-92.14 60.289,-92.367 60.289,-92.67 60.516,-92.898 61.568,-92.898 61.796,-93.125 61.796,-93.428 61.568,-93.656 60.796,-93.656 60.569,-93.883 60.569,-98.24 60.569,-119.832 60.289,-120.113 60.289,-121.495 58.325,-123.459 58.325,-125.758 58.6,-126.033 58.6,-128.378 v1(58.622,-128.4)